# Allegro board RK_NVR_DEMO1_RK3588_LP4XD200P232SD8_V21_20211228_final_lint.brd (continued)
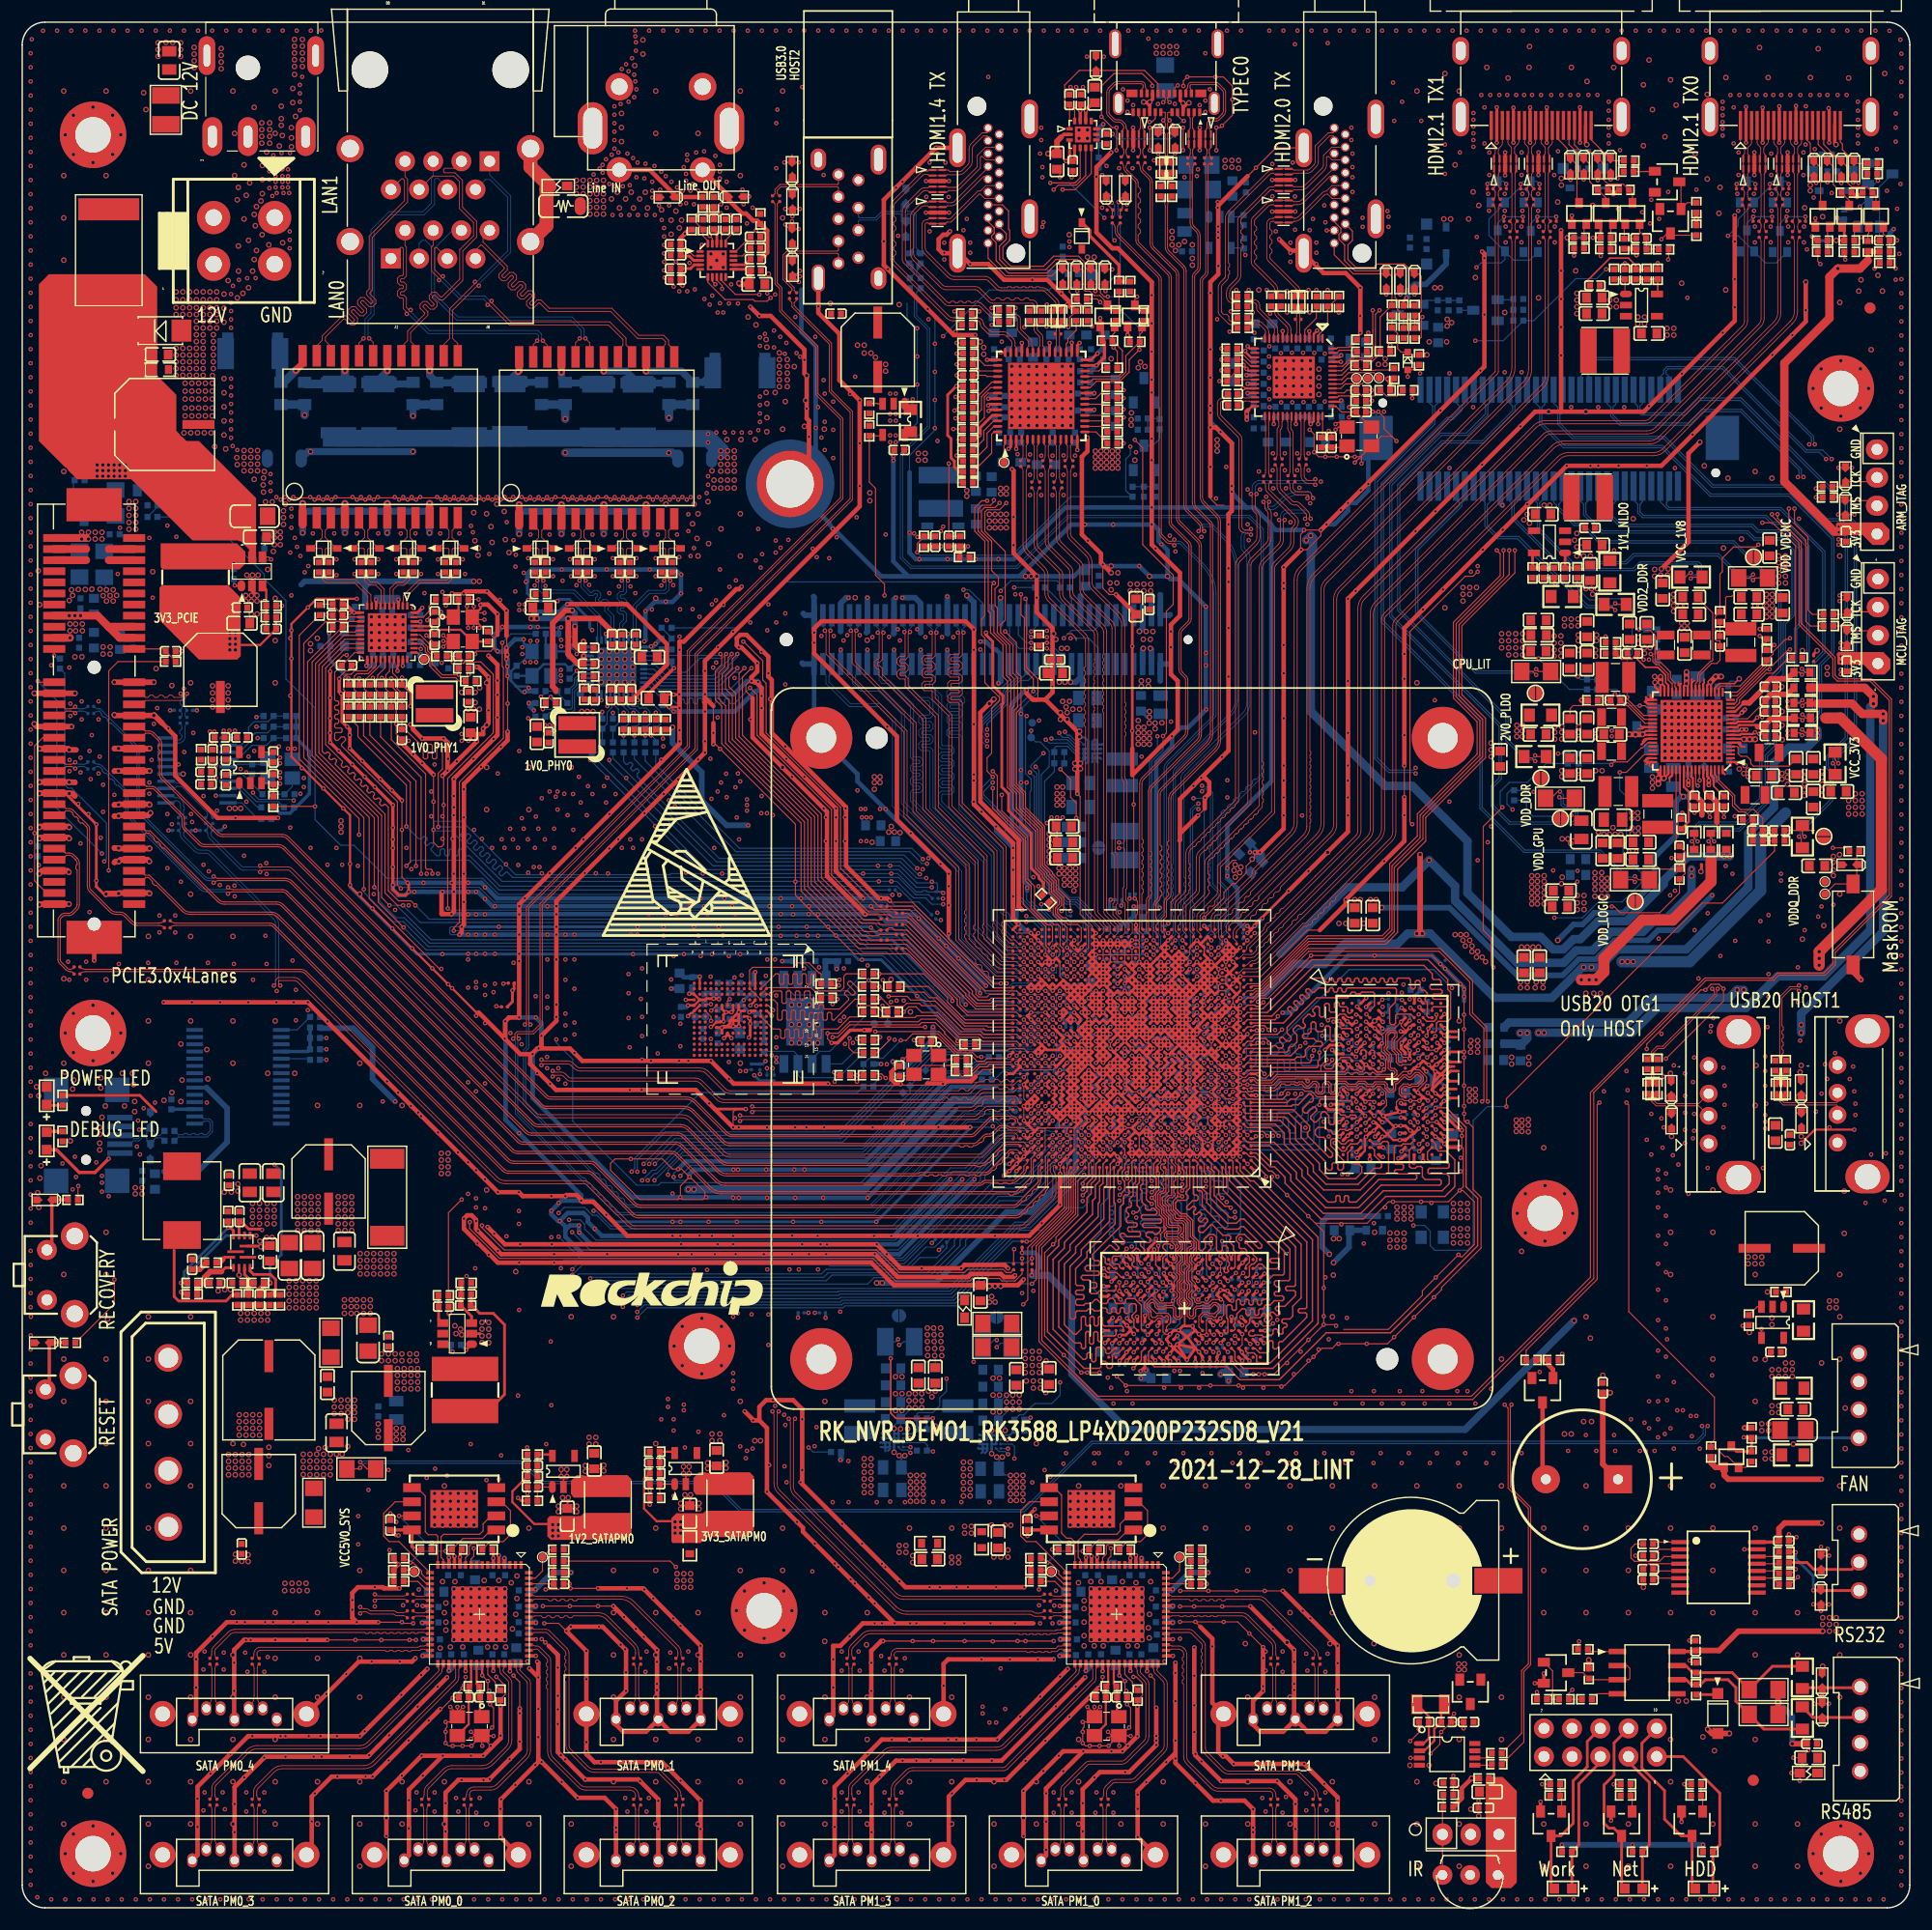
[diagram p0: board, top side]
## Routing (per net, layer and track width the routed paths; a pad name or vN(x,y) marks a point on that pad's centre or on a via; arc(x,y) is an arc through that point) (continued)
MIPI_CSI1_RX_D3N: length 37.5
  TOP w0.086: v1(90.25,86.56) 90.57,86.24 U1000.AL32
  BOTTOM w0.076: v1(90.25,86.56) 90.21,86.6 89.7,86.6 89.56,86.75 89.27,86.75 89.13,86.89 89.13,87.18 87.32,88.98 87.32,94.86 82.57,99.61 82.57,100.42 82.81,100.66 83.6,100.66 83.68,100.74 83.68,100.89 83.6,100.97 82.81,100.97 82.57,101.21 82.57,101.59 82.81,101.83 83.6,101.83 83.68,101.91 83.68,102.06 83.6,102.14 82.81,102.14 82.57,102.38 82.57,102.76 82.81,103 83.6,103 83.68,103.08 83.68,103.23 83.6,103.31 82.81,103.31 82.57,103.55 82.57,103.93 82.81,104.17 83.6,104.17 83.68,104.25 83.68,104.4 83.6,104.47 82.81,104.47 82.57,104.71 82.57,109.16 81.76,109.97 81.76,110.43 82.01,110.69 82.01,111.04 81.75,111.3 U4700.28
MIPI_CSI1_RX_D3P: length 37.7
  TOP w0.086: U1000.AL31 v1(90.9,86.56)
  BOTTOM w0.076: v1(90.9,86.56) 90.58,86.88 89.82,86.88 87.6,89.1 87.6,94.98 82.85,99.73 82.85,100.31 82.93,100.39 83.71,100.39 83.95,100.62 83.95,101.01 83.71,101.25 82.93,101.25 82.85,101.32 82.85,101.48 82.93,101.55 83.71,101.55 83.95,101.79 83.95,102.18 83.71,102.42 82.93,102.42 82.85,102.49 82.85,102.65 82.93,102.72 83.71,102.72 83.95,102.96 83.95,103.35 83.71,103.59 82.93,103.59 82.85,103.66 82.85,103.81 82.93,103.89 83.71,103.89 83.95,104.13 83.95,104.51 83.71,104.75 82.93,104.75 82.85,104.83 82.85,109.28 82.04,110.09 82.04,110.32 82.29,110.57 82.29,111.11 82.55,111.37 U4700.30
MIPI_DPHY1_TX_CLKN: length 44.9
  TOP w0.076: U1000.AP20 98.44,88.26 98.44,88.41 98.06,88.8 98.06,89 97.61,89.45 97.59,89.47 arc(97.47,89.65) 97.43,89.86 97.43,107.75 97.36,107.82 97.36,108.05 97.43,108.13 97.43,108.36 97.36,108.43 97.36,108.66 97.43,108.74 97.43,108.96 97.36,109.04 97.36,109.27 97.43,109.35 97.43,109.57 97.36,109.65 97.36,109.88 97.43,109.96 97.43,110.18 97.36,110.26 97.36,110.49 97.43,110.57 97.43,110.79 97.36,110.87 97.36,111.1 97.43,111.17 97.43,111.4 97.36,111.48 97.36,111.71 97.43,111.78 97.43,112.01 97.36,112.09 97.36,112.32 97.43,112.39 97.43,112.62 97.36,112.7 97.36,112.93 97.43,113 97.43,115 arc(97.39,115.22) 97.26,115.41 94.6,118.07 arc(94.44,118.31) 94.38,118.6 94.38,120.44 arc(94.35,120.6) 94.26,120.74 92.43,122.57 arc(92.24,122.85) 92.18,123.17 92.18,129.42 arc(92.12,129.7) R5525.1
MIPI_DPHY1_TX_CLKP: length 45.1
  TOP w0.076: U1000.AN20 98.72,87.89 98.72,88.53 98.34,88.91 98.34,89.11 97.79,89.66 arc(97.73,89.75) 97.71,89.86 97.71,115 arc(97.65,115.33) 97.46,115.61 94.8,118.27 arc(94.7,118.42) 94.66,118.6 94.66,120.44 arc(94.61,120.71) 94.46,120.94 92.63,122.77 arc(92.5,122.96) 92.46,123.17 92.46,129.42 arc(92.51,129.7) R5526.1
MIPI_DPHY1_TX_D0N: length 44
  TOP w0.076: U1000.AP18 99.74,88.26 99.74,88.62 99.36,89 99.36,90.53 99.16,90.73 99.16,91.9 99.26,92.01 99.26,101.44 arc(99.24,101.52) 99.2,101.59 arc(99.09,101.75) 99.06,101.93 99.06,115.55 arc(98.95,116.11) 98.63,116.58 96.4,118.82 arc(96.19,119.13) 96.11,119.51 96.11,121.25 arc(96.04,121.6) 95.84,121.9 94.41,123.33 arc(94.24,123.59) 94.18,123.89 94.18,129.42 arc(94.12,129.7) R5530.1
MIPI_DPHY1_TX_D0P: length 45.2
  TOP w0.076: U1000.AN18 100.02,87.89 100.02,88.74 99.64,89.12 99.64,90.64 99.44,90.85 99.44,91.79 99.54,91.89 99.54,101.44 arc(99.5,101.63) 99.39,101.79 arc(99.35,101.85) 99.34,101.93 99.34,105.6 99.44,105.71 99.44,105.93 99.34,106.04 99.34,106.26 99.44,106.37 99.44,106.59 99.34,106.7 99.34,106.92 99.44,107.03 99.44,107.26 99.34,107.36 99.34,107.59 99.44,107.69 99.44,107.92 99.34,108.02 99.34,108.25 99.44,108.35 99.44,108.58 99.34,108.68 99.34,115.56 arc(99.21,116.22) 98.83,116.78 96.59,119.02 arc(96.44,119.24) 96.39,119.51 96.39,121.25 arc(96.3,121.71) 96.04,122.1 94.61,123.53 arc(94.5,123.7) 94.46,123.89 94.46,129.42 arc(94.51,129.7) R5532.1
MIPI_DPHY1_TX_D1N: length 42.4
  TOP w0.076: U1000.AP19 99.09,88.26 99.09,88.49 98.71,88.87 98.71,89.07 98.27,89.51 98.27,90.51 98.42,90.66 98.42,94.82 98.19,95.05 98.19,115.34 arc(98.15,115.57) 98.02,115.77 95.58,118.2 arc(95.37,118.51) 95.3,118.88 95.3,120.87 95.3,120.87 arc(95.27,121.02) 95.18,121.16 93.42,122.9 arc(93.24,123.17) 93.18,123.49 93.18,127.49 arc(93.12,127.77) R5527.1
MIPI_DPHY1_TX_D1P: length 43.1
  TOP w0.076: U1000.AN19 99.37,87.89 99.37,88.6 98.99,88.98 98.99,89.19 98.55,89.63 98.55,90.39 98.7,90.54 98.7,94.94 98.47,95.17 98.47,115.34 arc(98.41,115.68) 98.21,115.96 95.78,118.4 arc(95.63,118.62) 95.58,118.88 95.58,120.87 arc(95.52,121.14) 95.37,121.37 93.62,123.1 arc(93.5,123.28) 93.46,123.49 93.46,127.49 arc(93.51,127.77) R5529.1
MIPI_DPHY1_TX_D2N: length 43.1
  TOP w0.076: U1000.AP21 97.79,88.25 97.79,88.36 97.41,88.73 97.41,88.85 96.8,89.46 arc(96.67,89.66) 96.62,89.9 96.62,106.35 96.54,106.43 96.54,106.66 96.62,106.73 96.62,106.96 96.54,107.04 96.54,107.27 96.62,107.34 96.62,107.57 96.54,107.65 96.54,107.88 96.62,107.95 96.62,108.18 96.54,108.26 96.54,108.49 96.62,108.56 96.62,108.79 96.54,108.87 96.54,109.1 96.62,109.17 96.62,109.4 96.54,109.48 96.54,109.71 96.62,109.78 96.62,110.01 96.54,110.09 96.54,110.32 96.62,110.39 96.62,110.62 96.54,110.7 96.54,110.92 96.62,111 96.62,111.23 96.54,111.31 96.54,111.53 96.62,111.61 96.62,111.84 96.54,111.92 96.54,112.14 96.62,112.22 96.62,114.77 arc(96.59,114.93) 96.5,115.06 93.75,117.8 arc(93.54,118.12) 93.47,118.49 93.47,120.2 arc(93.45,120.3) 93.39,120.39 91.41,122.37 arc(91.24,122.63) 91.18,122.93 91.18,127.49 arc(91.12,127.77) R5523.1
MIPI_DPHY1_TX_D2P: length 43.3
  TOP w0.076: U1000.AN21 98.07,87.88 98.07,88.48 97.69,88.85 97.69,88.96 97,89.65 arc(96.93,89.77) 96.9,89.9 96.9,114.77 arc(96.85,115.03) 96.7,115.26 93.95,118 arc(93.8,118.23) 93.75,118.49 93.75,120.2 arc(93.71,120.41) 93.59,120.59 91.61,122.57 arc(91.5,122.73) 91.46,122.93 91.46,127.49 arc(91.51,127.77) R5524.1
MIPI_DPHY1_TX_D3N: length 45.3
  TOP w0.076: R5520.1 90.01,129.9 arc(90.13,129.71) 90.18,129.48 90.18,122.85 arc(90.26,122.43) 90.5,122.07 91.94,120.63 arc(92.1,120.4) 92.15,120.13 92.15,118.49 arc(92.22,118.12) 92.43,117.8 95.63,114.6 arc(95.76,114.41) 95.81,114.19 95.81,111.92 95.68,111.79 95.68,111.56 95.81,111.43 95.81,111.2 95.68,111.08 95.68,110.85 95.81,110.72 95.81,110.49 95.68,110.37 95.68,110.14 95.81,110.01 95.81,109.78 95.68,109.66 95.68,109.43 95.81,109.3 95.81,109.07 95.68,108.94 95.68,108.72 95.81,108.59 95.81,108.36 95.68,108.23 95.68,108 95.81,107.88 95.81,107.65 95.68,107.52 95.68,107.29 95.81,107.17 95.81,106.94 95.68,106.81 95.68,106.58 95.81,106.45 95.81,89.9 arc(95.85,89.66) 95.99,89.46 97.07,88.37 U1000.AP22
MIPI_DPHY1_TX_D3P: length 45.3
  TOP w0.076: R5521.1 90.63,129.9 arc(90.5,129.71) 90.46,129.48 90.46,122.85 arc(90.52,122.54) 90.7,122.27 92.14,120.83 arc(92.35,120.51) 92.43,120.13 92.43,118.49 arc(92.48,118.23) 92.63,118 95.83,114.8 arc(96.02,114.52) 96.09,114.19 96.09,89.9 arc(96.11,89.77) 96.19,89.65 97.42,88.42 97.42,87.89 U1000.AN22
MIPICSI0_PWREN_H_GPIO1_B1: length 140.6
  TOP w0.102: v1(95.45,68.36) U1000.D25
  L4-S1 w0.102: v1(64.69,101.54) 64.69,100.83 52.91,89.04 52.91,65.47 54.28,64.1 54.28,55.34 v1(54.13,55.19)
  L6-S2 w0.102: v1(93.85,114.44) 91.31,111.9 90.4,111.9 88.36,109.87 87.25,109.87 86.03,108.65 70.64,108.65 65.1,103.11 65.1,101.95 v1(64.69,101.54)
  BOTTOM w0.089: v1(95.45,68.36) 95.45,68.17 95.77,67.85 95.77,67.58 95.93,67.42 95.93,67.28 96.04,67.18 96.04,66.77 95.68,66.41 95.51,66.41 95.41,66.31
  BOTTOM w0.102: 95.41,66.31 95.04,65.94 95.04,65.88 90.73,61.56 89.56,61.56 83.58,55.58 73.54,55.58 73.48,55.52 54.46,55.52 v1(54.13,55.19) ; U4700.65 96.95,115.51 96.59,115.16 94.56,115.16 v1(93.85,114.44)
MIPICSI1_PWREN_H_GPIO1_B2: length 143.9
  TOP w0.102: U1000.D26 v1(94.15,68.36)
  L4-S1 w0.102: v1(64.26,101.01) 63.85,101.01 63.07,100.22 63.07,100.02 52.3,89.25 52.3,65.27 53.77,63.8 53.77,58.31 v1(51.18,55.72)
  L6-S2 w0.102: v1(64.26,101.01) 64.77,101.01 65.4,101.64 65.4,102.98 70.77,108.35 86.15,108.35 87.37,109.57 88.47,109.57 90.5,111.6 92.83,111.6 94.66,113.43 94.66,114.24 v1(94.46,114.44)
  BOTTOM w0.089: 93.04,66.44 93.14,66.54 93.43,66.54 93.85,66.95 93.85,67.56 93.82,67.58 93.82,68.04 v1(94.15,68.36)
  BOTTOM w0.102: v1(51.18,55.72) 51.69,56.23 76.17,56.23 76.75,56.8 82.13,56.8 85.01,59.68 85.01,60.19 88.19,63.37 90.6,63.37 93.04,65.8 93.04,66.44 ; v1(94.46,114.44) 96.09,114.44 96.95,113.58 U4700.66
OTG0_REXT: length 1
  TOP w0.089: U1000.AP12 v1(103.25,87.86)
  BOTTOM w0.089: R1400.1 103.1,88.01 v1(103.25,87.86)
OTG1_REXT: length 0.9
  TOP w0.254: U1000.AP7 v1(106.5,88.51)
  BOTTOM w0.089: R1402.1 106.5,88.51 v1(106.5,88.51)
PCADR: length 3.4
  TOP w0.102: U5500.45 86.26,138.54 R5507.1 R5509.1
PCIE30_0_REF: length 0.9
  TOP w0.254: U1000.B34 v1(88.95,67.06)
  BOTTOM w0.254: v1(88.95,67.06) 88.91,67.03 R1800.1
PCIE30_1_REF: length 1
  TOP w0.254: U1000.A33 v1(89.6,66.41)
  BOTTOM w0.254: v1(89.6,66.41) 89.48,66.29 R1801.1
PCIE30_PORT0_REFCLKN_IN: length 87.1
  TOP w0.076: U1000.E34 89.36,69.34 89.43,69.41 89.43,69.49 89.36,69.56 88.62,69.56 arc(88.45,69.53) 88.31,69.43 88.29,69.41 86.54,67.66 63.78,67.66 arc(63.41,67.73) 63.1,67.94 60.1,70.94 arc(59.8,71.14) 59.44,71.21 46.7,71.21 arc(46.41,71.27) 46.17,71.43 24.14,93.46 arc(24.05,93.52) 23.95,93.54 21.85,93.54 arc(21.63,93.5) v1(21.44,93.37)
  BOTTOM w0.076: R8416.2 16.64,97.66 arc(16.69,97.57) 16.71,97.48 16.71,97.38 arc(16.7,97.31) 16.66,97.25 R8418.1 16.66,96.99 arc(16.7,96.93) 16.71,96.87 arc(16.77,96.59) 16.93,96.35 19.57,93.71 arc(19.75,93.58) 19.97,93.54 21.04,93.54 arc(21.26,93.5) v1(21.44,93.37)
PCIE30_PORT0_REFCLKP_IN: length 87.1
  TOP w0.076: U1000.E33 89.79,69.34 89.71,69.41 89.71,69.6 89.47,69.84 88.62,69.84 arc(88.35,69.79) 88.12,69.63 88.09,69.61 86.42,67.94 63.78,67.94 arc(63.52,67.99) 63.3,68.13 60.3,71.14 arc(59.9,71.4) 59.44,71.49 46.7,71.49 arc(46.52,71.53) 46.37,71.63 24.34,93.66 arc(24.16,93.78) 23.95,93.82 21.73,93.82 arc(21.57,93.85) v1(21.44,93.94)
  BOTTOM w0.076: R8415.2 17.06,97.66 arc(17.01,97.57) 16.99,97.48 16.99,97.38 arc(17,97.31) 17.04,97.25 R8419.1 17.04,96.99 arc(17,96.93) 16.99,96.87 arc(17.03,96.69) 17.12,96.55 19.77,93.9 arc(19.86,93.84) 19.97,93.82 21.16,93.82 arc(21.31,93.85) v1(21.44,93.94)
PCIE30_PORT0_RX0N: length 97.8
  TOP w0.094: U1000.G34 89.5,70.86 89.5,70.97 89.39,71.08 arc(89.29,71.14) 89.18,71.16 89.02,71.16 88.91,71.05 88.63,71.05 88.52,71.16 88.24,71.16 88.13,71.05 87.86,71.05 87.75,71.16 87.55,71.16 arc(87.4,71.13) 87.27,71.05 85.89,69.67 arc(85.72,69.55) 85.51,69.51 63.97,69.51 arc(63.65,69.57) 63.38,69.75 60.54,72.6 arc(60.22,72.81) 59.83,72.89 47.62,72.89 arc(47.37,72.94) 47.15,73.09 23.86,96.37 arc(23.65,96.51) 23.4,96.56 18.06,96.56 arc(17.78,96.62) 17.54,96.78 12.51,101.8 arc(12.41,101.96) 12.37,102.15 12.37,103.56 12.26,103.67 12.26,103.95 12.37,104.06 12.37,104.34 12.26,104.45 12.26,104.73 12.37,104.84 12.37,105 arc(12.35,105.11) 12.28,105.2 11.72,105.77 arc(11.59,105.85) 11.44,105.88 11.12,105.88 10.72,105.48 J8400.A17
PCIE30_PORT0_RX0P: length 97.7
  TOP w0.094: J8400.A16 10.68,106.48 11.08,106.08 11.44,106.08 arc(11.67,106.04) 11.86,105.91 12.43,105.34 arc(12.53,105.18) 12.57,105 12.57,102.15 arc(12.59,102.04) 12.66,101.95 17.68,96.92 arc(17.85,96.81) 18.06,96.77 23.4,96.77 arc(23.73,96.7) 24.01,96.52 47.29,73.23 arc(47.44,73.13) 47.62,73.09 59.83,73.09 arc(60.29,73) 60.68,72.74 63.53,69.9 arc(63.73,69.76) 63.97,69.72 85.51,69.72 arc(85.64,69.74) 85.75,69.81 87.13,71.19 arc(87.32,71.32) 87.55,71.37 89.18,71.37 arc(89.37,71.33) 89.53,71.22 89.7,71.05 89.7,70.86 U1000.G33
PCIE30_PORT0_RX1N: length 94.6
  TOP w0.094: J8400.A22 10.8,100.48 11.2,100.88 11.76,100.88 arc(11.82,100.87) 11.88,100.83 14.32,98.39 arc(14.38,98.3) 14.4,98.19 14.4,97.66 arc(14.45,97.4) 14.6,97.17 15.91,95.86 arc(16.15,95.7) 16.43,95.65 23.04,95.65 arc(23.31,95.59) 23.53,95.44 23.62,95.36 46.72,72.25 arc(46.95,72.1) 47.21,72.05 59.61,72.05 arc(60.01,71.97) 60.35,71.75 63.13,68.97 arc(63.43,68.77) 63.78,68.7 84.43,68.7 84.54,68.59 84.82,68.59 84.93,68.7 85.21,68.7 85.32,68.59 85.6,68.59 85.71,68.7 85.72,68.7 arc(85.97,68.75) 86.17,68.88 86.28,69 86.44,69 86.63,69.19 86.63,69.35 86.75,69.47 arc(86.84,69.52) 86.94,69.54 87.17,69.54 arc(87.35,69.58) 87.51,69.68 88.07,70.24 arc(88.14,70.29) 88.22,70.31 88.58,70.31 arc(88.72,70.28) 88.83,70.21 arc(88.95,70.12) 89.1,70.1 89.83,70.1 89.92,70 U1000.F33
PCIE30_PORT0_RX1P: length 95.1
  TOP w0.094: U1000.F32 90.26,70.3 89.1,70.3 arc(89.03,70.31) 88.97,70.35 arc(88.8,70.47) 88.58,70.51 88.22,70.51 arc(88.06,70.48) 87.92,70.39 87.36,69.83 arc(87.28,69.77) 87.17,69.75 86.94,69.75 arc(86.76,69.71) 86.61,69.61 86.49,69.49 86.03,69.03 arc(85.89,68.94) 85.72,68.9 63.78,68.9 arc(63.5,68.96) 63.27,69.11 60.49,71.89 arc(60.09,72.16) 59.61,72.26 47.21,72.26 arc(47.02,72.29) 46.87,72.4 23.77,95.5 23.68,95.59 arc(23.38,95.78) 23.04,95.85 16.43,95.85 arc(16.23,95.89) 16.06,96.01 14.75,97.32 arc(14.64,97.48) 14.6,97.66 14.6,98.19 arc(14.57,98.38) 14.46,98.54 12.02,100.97 arc(11.9,101.05) 11.76,101.08 11.2,101.08 10.8,101.48 J8400.A21
PCIE30_PORT0_TX0N: length 105.1
  TOP w0.094: U1000.D33 89.78,68.83 88.77,68.83 arc(88.66,68.8) 88.57,68.74 88.45,68.63 88.45,68.47 88.26,68.28 88.1,68.28 87.9,68.08 87.9,67.92 87.71,67.73 87.55,67.73 87.35,67.53 87.35,67.38 87.16,67.18 87,67.18 86.88,67.06 arc(86.73,66.96) 86.55,66.92 86.47,66.92 86.36,66.81 86.08,66.81 85.97,66.92 63.66,66.92 arc(63.21,67.01) 62.83,67.27 59.97,70.13 arc(59.66,70.33) 59.31,70.4 46.5,70.4 arc(46.21,70.46) 45.97,70.62 24.22,92.37 arc(23.96,92.54) 23.66,92.6 17.72,92.6 arc(17.46,92.55) v1(17.25,92.41)
  BOTTOM w0.094: v1(17.25,92.41) 17.06,92.6 16.84,92.6 arc(16.57,92.65) 16.35,92.8 10.5,98.65 arc(10.38,98.83) 10.34,99.04 10.34,104.2 arc(10.28,104.46) 10.13,104.69 8.04,106.78 7.89,106.78 7.69,106.98 7.69,107.13 7.49,107.33 7.34,107.33 7.14,107.53 7.14,107.68 6.94,107.88 arc(6.67,107.82) 6.43,107.67 C8402.1
PCIE30_PORT0_TX0P: length 105.3
  TOP w0.094: U1000.D32 90.23,69.03 88.77,69.03 arc(88.58,68.99) 88.42,68.89 86.74,67.2 arc(86.65,67.14) 86.55,67.12 63.66,67.12 arc(63.29,67.2) 62.97,67.41 60.11,70.27 arc(59.74,70.52) 59.31,70.6 46.5,70.6 arc(46.29,70.65) 46.11,70.77 24.37,92.51 arc(24.04,92.73) 23.66,92.8 17.66,92.8 arc(17.44,92.85) v1(17.25,92.97)
  BOTTOM w0.094: v1(17.25,92.97) 17.08,92.8 16.84,92.8 arc(16.65,92.84) 16.49,92.95 16.48,92.96 10.64,98.8 arc(10.57,98.91) 10.54,99.04 10.54,99.04 10.54,104.2 arc(10.47,104.54) 10.28,104.83 7.03,108.08 6.88,108.08 arc(6.66,108.13) 6.48,108.25 C8401.1
PCIE30_PORT0_TX1N: length 101.2
  TOP w0.094: U1000.C34 89.18,68.13 89.08,68.13 88.88,67.94 88.88,67.78 88.68,67.58 88.53,67.58 88.33,67.39 88.33,67.23 88.13,67.03 87.98,67.03 87.78,66.84 87.78,66.68 87.58,66.48 87.43,66.48 87.19,66.24 arc(87.01,66.12) 86.8,66.08 86.38,66.08 86.27,65.97 85.99,65.97 85.88,66.08 85.42,66.08 85.32,65.98 85.01,65.98 84.91,66.08 83.33,66.08 83.22,65.97 82.94,65.97 82.83,66.08 82.55,66.08 82.44,65.97 82.16,65.97 82.06,66.08 81.78,66.08 81.67,65.97 81.39,65.97 81.28,66.08 80.95,66.08 80.84,65.97 63.47,65.97 arc(63.03,66.06) 62.65,66.32 59.52,69.44 arc(59.3,69.59) 59.05,69.64 45.91,69.64 arc(45.59,69.7) 45.32,69.88 23.74,91.46 arc(23.61,91.55) 23.44,91.58 18.95,91.58 arc(18.73,91.54) v1(18.55,91.42)
  BOTTOM w0.094: v1(18.55,91.42) 18.38,91.58 16.62,91.58 arc(16.27,91.65) 15.98,91.85 9.48,98.35 arc(9.36,98.53) 9.32,98.74 9.32,100.38 arc(9.29,100.51) 9.22,100.63 8.66,101.18 8.51,101.18 8.31,101.38 8.31,101.53 8.12,101.73 7.96,101.73 7.76,101.93 7.76,102.08 7.57,102.28 7.41,102.28 7.21,102.48 7.21,102.63 7.05,102.8 arc(6.96,102.86) 6.85,102.88 6.82,102.88 arc(6.66,102.85) 6.52,102.76 C8404.1
PCIE30_PORT0_TX1P: length 100.9
  TOP w0.094: U1000.C33 89.62,68.34 88.99,68.34 87.04,66.39 arc(86.93,66.31) 86.8,66.29 80.86,66.29 80.75,66.18 63.47,66.18 arc(63.1,66.25) 62.79,66.46 59.66,69.59 arc(59.38,69.78) 59.05,69.84 45.91,69.84 arc(45.67,69.89) 45.47,70.02 23.89,91.6 arc(23.68,91.74) 23.44,91.79 19.02,91.79 arc(18.76,91.84) v1(18.55,91.98)
  BOTTOM w0.094: C8403.1 6.51,103.22 arc(6.66,103.12) 6.84,103.08 6.87,103.08 arc(7.03,103.05) 7.18,102.96 9.36,100.77 arc(9.48,100.59) 9.52,100.38 9.52,98.74 arc(9.55,98.61) 9.62,98.49 16.13,91.99 arc(16.35,91.84) 16.62,91.79 18.35,91.79 v1(18.55,91.98)
PCIE30_PORT1_REFCLKN_IN: length 103.4
  TOP w0.076: U1000.B28 93.17,67.33 93.04,67.2 92.87,67.2 92.63,66.96 92.63,66.49 arc(92.67,66.29) 92.79,66.12 arc(92.84,66.04) 92.86,65.94 92.86,64.46 arc(92.82,64.26) 92.7,64.09 90.26,61.65 arc(90.09,61.53) 89.88,61.49 55.24,61.49 arc(54.98,61.54) 54.77,61.68 51.11,65.33 arc(50.88,65.49) 50.6,65.55 43.54,65.55 arc(43.15,65.63) 42.82,65.85 25.04,83.63 arc(24.78,83.8) 24.47,83.86 23.06,83.86 22.82,83.62 22.82,83.28 v1(22.68,83.14)
  BOTTOM w0.076: v1(22.68,83.14) 22.82,83.28 22.82,88.69 arc(22.78,88.94) 22.63,89.15 16.82,94.97 arc(16.71,95.04) 16.59,95.06 16.03,95.06 arc(15.73,95.12) 15.48,95.29 15.47,95.3 14.41,96.37 arc(14.3,96.53) 14.26,96.72 14.26,96.87 arc(14.24,96.93) 14.21,96.99 R8425.1 14.21,97.25 arc(14.24,97.31) 14.26,97.38 arc(14.22,97.57) 14.11,97.73 R8424.2
PCIE30_PORT1_REFCLKP_IN: length 102.9
  TOP w0.076: v1(23.25,83.14) 23.1,83.28 23.1,83.51 23.18,83.58 24.47,83.58 arc(24.67,83.54) 24.84,83.43 42.62,65.65 arc(43.04,65.37) 43.54,65.27 50.6,65.27 arc(50.77,65.24) 50.92,65.14 54.57,61.49 arc(54.88,61.28) 55.24,61.21 89.88,61.21 arc(90.19,61.27) 90.46,61.45 92.9,63.89 arc(93.08,64.15) 93.14,64.46 93.14,65.94 arc(93.1,66.14) 92.99,66.31 arc(92.93,66.39) 92.91,66.49 92.91,66.85 92.99,66.92 93.1,66.92 93.17,66.85 U1000.A28
  BOTTOM w0.076: v1(23.25,83.14) 23.1,83.28 23.1,88.69 arc(23.03,89.05) 22.83,89.35 17.02,95.17 arc(16.82,95.3) 16.59,95.34 16.03,95.34 arc(15.84,95.38) 15.68,95.49 15.67,95.5 14.6,96.56 arc(14.55,96.64) 14.54,96.72 14.54,96.87 arc(14.55,96.93) 14.59,96.99 R8426.1 14.59,97.25 arc(14.55,97.31) 14.54,97.38 arc(14.57,97.57) 14.68,97.73 R8423.2
PCIE30_PORT1_RX2N: length 94.8
  TOP w0.094: J8400.A26 10.76,96.48 11.16,96.88 11.44,96.88 11.89,96.43 11.89,96.28 12.08,96.08 12.24,96.08 12.44,95.88 12.44,95.73 12.63,95.53 12.79,95.53 17.6,90.72 arc(17.88,90.53) 18.21,90.47 22.93,90.47 arc(23.18,90.42) 23.39,90.28 44.64,69.03 arc(44.86,68.88) 45.13,68.83 58.85,68.83 arc(59.1,68.78) 59.32,68.63 62.45,65.5 arc(62.87,65.22) 63.37,65.12 86.23,65.12 arc(86.45,65.16) 86.64,65.29 86.68,65.33 arc(86.73,65.36) 86.78,65.37 87.93,65.37 88.04,65.26 88.32,65.26 88.43,65.37 88.7,65.37 88.81,65.26 89.09,65.26 89.2,65.37 89.28,65.37 arc(89.47,65.41) 89.63,65.52 89.9,65.79 90.06,65.79 90.26,65.99 90.26,66.15 90.35,66.24 arc(90.43,66.35) 90.45,66.49 90.45,66.62 U1000.A32
PCIE30_PORT1_RX2P: length 94.8
  TOP w0.094: U1000.B32 90.57,67.17 90.25,66.85 90.25,66.49 arc(90.24,66.43) 90.2,66.38 89.48,65.66 arc(89.39,65.6) 89.28,65.57 86.78,65.57 arc(86.65,65.55) 86.54,65.47 86.49,65.43 arc(86.37,65.35) 86.23,65.32 63.37,65.32 arc(62.95,65.4) 62.59,65.64 59.46,68.78 arc(59.18,68.96) 58.85,69.03 45.13,69.03 arc(44.94,69.07) 44.78,69.17 23.53,90.42 arc(23.26,90.61) 22.93,90.67 18.21,90.67 arc(17.96,90.72) 17.74,90.86 11.53,97.08 11.14,97.08 10.74,97.48 J8400.A25
PCIE30_PORT1_RX3N: length 95.4
  TOP w0.094: U1000.B31 91.1,67.27 91.1,65.94 arc(91.08,65.8) 91,65.69 90.91,65.59 90.91,65.44 90.71,65.24 90.55,65.24 90.36,65.04 90.36,64.89 90.16,64.69 90,64.69 89.78,64.47 arc(89.66,64.38) 89.51,64.36 89.39,64.36 89.28,64.25 89,64.25 88.89,64.36 62.96,64.36 arc(62.42,64.46) 61.95,64.77 58.91,67.82 arc(58.72,67.94) 58.5,67.99 44.65,67.99 arc(44.34,68.05) 44.08,68.23 22.98,89.32 arc(22.72,89.49) 22.43,89.55 15.14,89.55 arc(14.74,89.63) 14.4,89.86 12.09,92.17 11.93,92.17 11.73,92.37 11.73,92.52 11.38,92.88 11.12,92.88 10.72,92.48 J8400.A30
PCIE30_PORT1_RX3P: length 95.4
  TOP w0.094: J8400.A29 10.67,93.48 11.07,93.08 11.46,93.08 14.54,90 arc(14.82,89.82) 15.14,89.76 22.43,89.76 arc(22.8,89.68) 23.12,89.47 44.22,68.37 arc(44.42,68.24) 44.65,68.19 58.5,68.19 arc(58.8,68.13) 59.05,67.96 62.1,64.92 arc(62.5,64.65) 62.96,64.56 89.51,64.56 arc(89.58,64.57) 89.63,64.61 90.85,65.83 arc(90.89,65.88) 90.9,65.94 90.9,67.5 91.22,67.82 U1000.C31
PCIE30_PORT1_TX2N: length 91.5
  TOP w0.094: U1000.A30 91.75,66.62 91.75,65.48 arc(91.73,65.33) 91.65,65.22 91.56,65.13 91.56,64.97 91.36,64.77 91.2,64.77 91.01,64.58 91.01,64.42 90.81,64.22 90.65,64.22 90.46,64.03 90.46,63.87 90.26,63.67 90.1,63.67 89.7,63.27 arc(89.55,63.17) 89.38,63.14 55.75,63.14 arc(55.39,63.21) 55.09,63.41 51.56,66.94 arc(51.38,67.06) 51.18,67.1 44.29,67.1 arc(43.97,67.16) 43.7,67.34 22.6,88.45 arc(22.47,88.53) 22.32,88.56 13.84,88.56 arc(13.56,88.5) C8406.1
PCIE30_PORT1_TX2P: length 91.7
  TOP w0.094: U1000.B30 91.87,67.18 91.55,66.86 91.55,65.48 arc(91.54,65.41) 91.5,65.36 89.55,63.41 arc(89.47,63.36) 89.38,63.34 55.75,63.34 arc(55.47,63.4) 55.23,63.56 55.14,63.64 51.7,67.09 arc(51.46,67.25) 51.18,67.3 44.29,67.3 arc(44.05,67.35) 43.85,67.49 22.74,88.59 arc(22.55,88.72) 22.32,88.76 13.84,88.76 arc(13.56,88.82) C8405.1
PCIE30_PORT1_TX3N: length 100.4
  TOP w0.094: U1000.B29 92.4,67.27 92.4,64.93 arc(92.38,64.8) 92.3,64.69 92.21,64.59 92.21,64.44 92.01,64.24 91.85,64.24 91.66,64.04 91.66,63.89 91.46,63.69 91.3,63.69 91.11,63.49 91.11,63.34 90.91,63.14 90.75,63.14 90.56,62.94 90.56,62.79 90.36,62.59 90.2,62.59 90.02,62.4 arc(89.79,62.25) 89.53,62.2 55.52,62.2 arc(55.21,62.26) 54.95,62.43 51.34,66.04 arc(51.15,66.17) 50.93,66.21 43.81,66.21 arc(43.53,66.27) 43.29,66.42 25.5,84.22 arc(25.3,84.35) 25.07,84.39 5.71,84.39 arc(5.43,84.34) C8408.1
PCIE30_PORT1_TX3P: length 100.4
  TOP w0.094: U1000.C29 92.2,67.71 92.2,64.93 92.2,64.93 arc(92.19,64.88) 92.16,64.83 89.87,62.54 arc(89.71,62.44) 89.52,62.4 55.52,62.4 arc(55.29,62.45) 55.09,62.58 51.48,66.18 arc(51.23,66.35) 50.93,66.41 43.81,66.41 arc(43.61,66.45) 43.43,66.57 25.64,84.36 arc(25.38,84.54) 25.07,84.6 5.71,84.6 arc(5.43,84.65) C8407.1
PCIE30_TX0_N: length 3.4
  TOP w0.094: J8400.B15 3.55,107.48 3.95,107.88 4.34,107.88 arc(4.58,107.83) v1(4.78,107.7)
  BOTTOM w0.094: v1(4.78,107.7) 4.82,107.74 arc(4.98,107.84) 5.15,107.88 5.41,107.88 arc(5.69,107.82) C8402.2
PCIE30_TX0_P: length 3.4
  TOP w0.094: J8400.B14 3.52,108.48 3.92,108.08 4.34,108.08 arc(4.58,108.13) v1(4.78,108.26)
  BOTTOM w0.094: v1(4.78,108.26) 4.82,108.22 arc(4.98,108.12) 5.15,108.08 5.41,108.08 arc(5.69,108.14) C8401.2
PCIE30_TX1_N: length 3.4
  TOP w0.094: J8400.B20 3.55,102.48 3.95,102.88 4.34,102.88 arc(4.58,102.83) v1(4.78,102.7)
  BOTTOM w0.094: C8404.2 5.89,102.7 arc(5.69,102.83) 5.46,102.88 5.22,102.88 arc(4.98,102.83) v1(4.78,102.7)
PCIE30_TX1_P: length 3.4
  TOP w0.094: J8400.B19 3.52,103.48 3.92,103.08 4.34,103.08 arc(4.58,103.13) v1(4.78,103.26)
  BOTTOM w0.094: C8403.2 5.82,103.19 arc(5.7,103.11) 5.56,103.08 5.22,103.08 arc(4.98,103.13) v1(4.78,103.26)
PCIE30_TX2_N: length 17.8
  TOP w0.094: J8400.B24 3.52,98.48 3.91,98.88 4.25,98.88 arc(4.35,98.86) 4.44,98.8 4.56,98.68 4.56,98.53 4.76,98.33 4.91,98.33 5.05,98.19 5.05,97.99 5.26,97.78 5.46,97.78 5.79,97.45 arc(5.85,97.37) 5.87,97.27 5.87,92.1 arc(5.92,91.83) 6.08,91.59 7.86,89.82 arc(8.15,89.62) 8.49,89.55 8.81,89.55 arc(9.02,89.51) 9.19,89.4 9.8,88.78 arc(10.05,88.62) 10.34,88.56 12.3,88.56 arc(12.58,88.5) C8406.2
PCIE30_TX2_P: length 17.5
  TOP w0.094: J8400.B23 3.56,99.48 3.96,99.08 4.25,99.08 arc(4.43,99.05) 4.59,98.94 5.94,97.59 arc(6.03,97.45) 6.07,97.27 6.07,92.1 arc(6.11,91.91) 6.22,91.74 8,89.96 arc(8.22,89.81) 8.49,89.76 8.81,89.76 arc(9.09,89.7) 9.33,89.54 9.95,88.92 arc(10.13,88.81) 10.34,88.76 12.3,88.76 arc(12.58,88.82) C8405.2
PCIE30_TX3_N: length 14.5
  TOP w0.094: J8400.B28 3.58,94.48 3.98,94.88 4.24,94.88 arc(4.39,94.85) 4.51,94.77 4.8,94.48 4.81,94.47 arc(4.91,94.31) 4.95,94.12 4.95,94.05 4.84,93.94 4.84,93.66 4.95,93.55 4.95,90.45 arc(4.91,90.26) 4.81,90.1 4.44,89.74 arc(4.35,89.68) 4.24,89.65 3.83,89.65 arc(3.66,89.62) 3.52,89.52 3.36,89.36 arc(3.26,89.22) 3.22,89.04 3.22,85.47 arc(3.26,85.28) 3.37,85.12 3.93,84.56 arc(4.11,84.44) 4.33,84.39 arc(4.47,84.37) 4.58,84.29 C8408.2
PCIE30_TX3_P: length 14.4
  TOP w0.094: J8400.B27 3.49,95.48 3.89,95.08 4.24,95.08 arc(4.47,95.04) 4.66,94.91 4.95,94.61 arc(5.1,94.39) 5.15,94.12 5.15,90.45 arc(5.1,90.18) 4.95,89.96 4.59,89.59 arc(4.43,89.49) 4.24,89.45 3.83,89.45 arc(3.74,89.43) 3.66,89.38 3.5,89.22 arc(3.45,89.14) 3.43,89.04 3.43,85.47 arc(3.45,85.36) 3.51,85.27 4.07,84.71 arc(4.19,84.63) 4.33,84.6 arc(4.47,84.62) 4.58,84.7 C8407.2
PCIE30X4_CLKREQN_3V3_L: length 109
  TOP w0.102: J8400.B12 1.5,110.48 v1(1.39,110.58)
  L6-S2 w0.102: v1(7.19,95.04) 8.11,95.96 66.88,95.96 69.61,98.7 84.66,98.7 91.26,92.09 v1(91.56,92.09)
  BOTTOM w0.102: v1(7.19,95.04) 3.12,99.1 3.12,108.86 v1(1.39,110.58) ; v1(91.56,92.09) 91.56,91.64 R8400.2
PCIE30X4_CLKREQN_M1_L: length 5.9
  TOP w0.089: U1000.AL26 94.47,86.24
  TOP w0.102: 94.47,86.24 v1(94.15,86.56) ; v1(92.52,89.97) 92.54,90 R1922.1
  BOTTOM w0.102: v1(94.15,86.56) 94.15,87.12 93.7,87.57 93.7,88.79 v1(92.52,89.97) 92.54,90 R1922.1
PCIE30X4_PERSTN_3V3_L: length 4.2
  TOP w0.102: J8400.A11 12.72,113.48 C8400.1 13.83,112.38 R8402.2
PCIE30X4_PERSTN_M1_L: length 118.8
  TOP w0.102: v1(7.8,93.51) 7.8,111.5 8.63,112.34 R8402.1 ; U1000.AJ27 v1(94.15,84.61)